# Altium PCB Napelem_inverter.PcbDoc (part 2 of 2)
Units mil, origin at the board's own origin, x right, y up, seen from the top; angles counter-clockwise.
Board outline 6000 x 4000 mil, 2 copper layers (Top Layer, Bottom Layer); 291 components, 168 nets, 931 pads, 64 vias.
Unrouted connection lines stored in the file: 608.
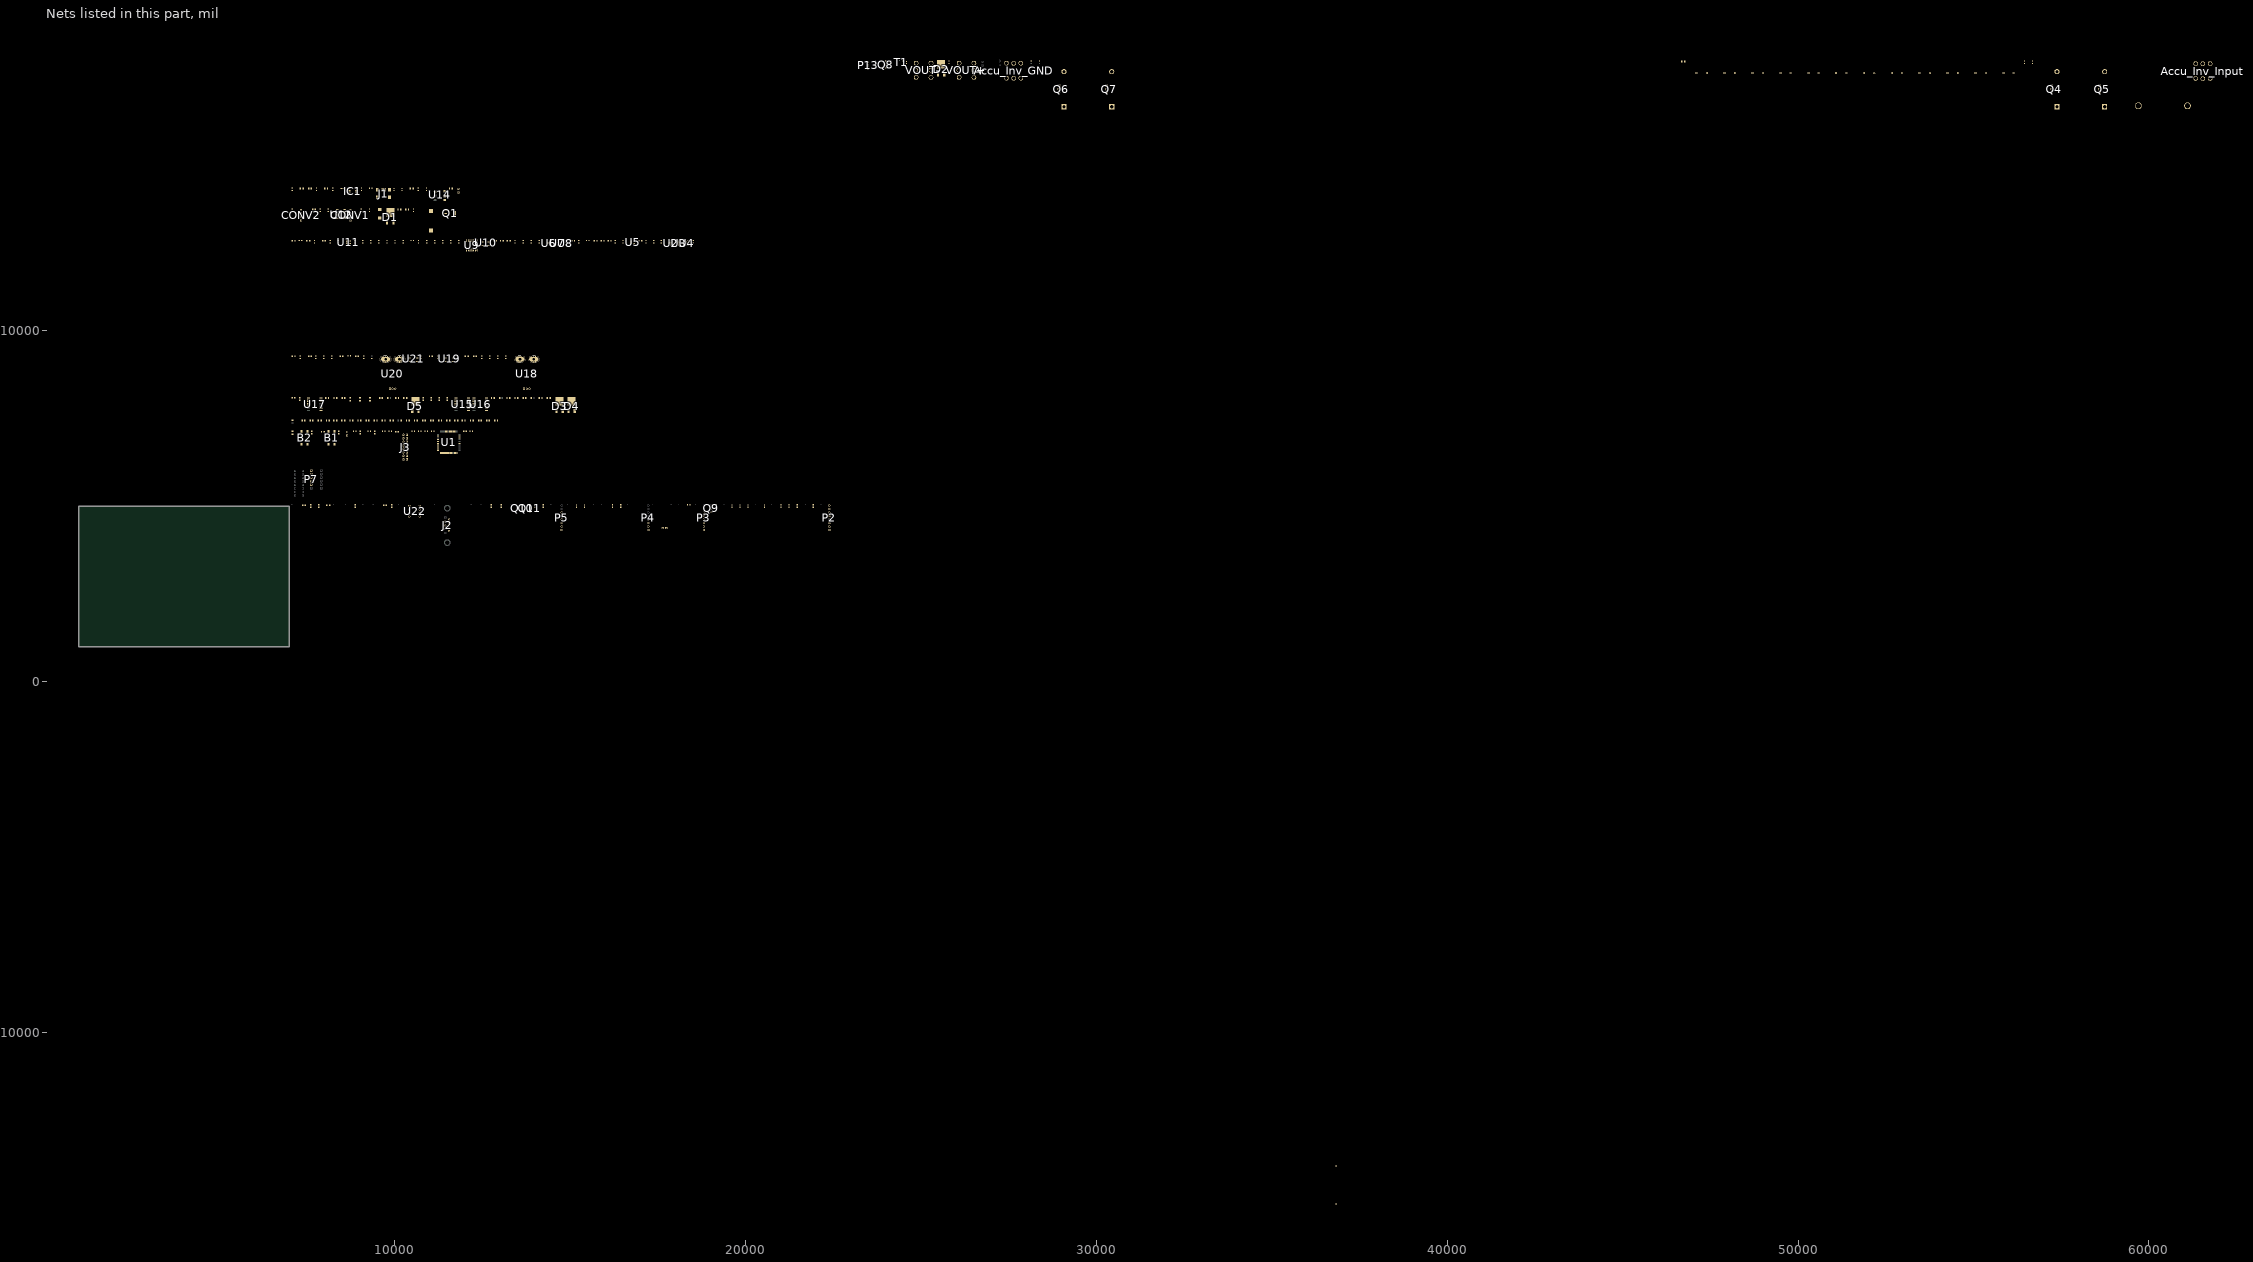
[diagram p2: the nets of this part, all layers, seen from the top]

## Part data
B1 B2: library part "Button 4P", "Push button"
C1 C2 C3 C4 C5 C6 C7 C8 C9 C10 C11 C12 C13 C15 C16 C18 C43 C45 C46 C47 C48 C49 C50 C51 C52 C53 C54 C55 C56 C57 C58 C59 C60 C61 C62 C63 C64 C65 C66 C67 C68 C69 C70 C71 C72 C73 C74 C75 C76 C77 C78 C79 C80 C81 C82 C83 C84 C85 C86 C87 C88 C89 C90 C91 C92 C93 C94 C95 C96 C97 C98 C99 C100 C101 C102 C103 C104: library part CAP, "Capacitor"
C17: library part CMP-2000-07204-1, "Tantalum Surface Mount Capacitor, 100 uF, 25 V, -55 to 125 degC, 2-Pin Molded, RoHS, Tape and Reel", Capacitance=100µF, ESR (Equivalent Series Resistance)=300mOhm, Lifetime @ Temp.=2000Hrs@85°C, Manufacturer=Kemet, Manufacturer Size Code=X, Operating Temperature=-55°C~125°C, Package / Case=2917(7343Metric), Package Description="2-Pin Molded Capacitor, Body 7.3 x 4.3 mm", Package Reference=Molded, Standard Package=1, Tolerance=±10%, Voltage - Rated=25V, Category=Capacitors, Datasheet URL=https://ciiva.com/datasheet-click-3798150?src=ciiva&sig=eb1f20b4, Datasheet Version=12/2015, EDA / CAD Models=DownloadfromAcceleratedDesigns, Family=TantalumCapacitors, Features=GeneralPurpose, Height - Seated (Max)="0.169\"(4.30mm)", Lead Spacing=-, Manufacturer URL=http://www.kemet.com/, Mounting Technology=SurfaceMount, Mounting Type=SurfaceMount, Online Catalog=T491Series, Other Names=399-8410-6, Packaging=Digi-Reel®, Product Training Modules=CapacitorBasics-TypicalUsesforCapacitors, Series=T491, Size / Dimension="0.287\"Lx0.169\"W(7.30mmx4.30mm)", Type=Molded
C31 C32 C33 C34 C35 C36 C37 C38 C39 C40 C41 C42: library part CMP-35376-000008-1, "CAP ALUM 47UF 20% 500V THRUHOLE / 500LXW47MEFR18X25"
C44: "Cap Film 68uF 100V PET 10% (31.5 X 22 X 36.5mm) Radial 27.5mm 125C Bulk", Capacitance=68uF, Case/Package=Radial, Dielectric=PET, Dielectric Material=Polyester, Manufacturer="TDK EPCOS", Manufacturer Part Number=B32524Q1686K000, Max Operating Temperature=125°C, Min Operating Temperature=-55°C, Tolerance=10%, Voltage Rating=100V, Category="Film Capacitors", ComponentLink1Description=http://www.farnell.com/datasheets/1955213.pdf?src-supplier=Farnell, ComponentLink1URL=http://www.farnell.com/datasheets/1955213.pdf?src-supplier=Farnell, ComponentLink2Description=http://components.arrow.com/part/dataview/0323_01924821?src-supplier=Arrow+Europe, ComponentLink2URL=http://components.arrow.com/part/dataview/0323_01924821?src-supplier=Arrow+Europe, ComponentLink3Description=https://www.tdk-electronics.tdk.com/inf/20/20/db/fc_2009/B32520_529.pdf?src-supplier=Digi-Key, ComponentLink3URL=https://www.tdk-electronics.tdk.com/inf/20/20/db/fc_2009/B32520_529.pdf?src-supplier=Digi-Key, ComponentLink4Description=http://www.farnell.com/datasheets/1955213.pdf?src-supplier=Element14, ComponentLink4URL=http://www.farnell.com/datasheets/1955213.pdf?src-supplier=Element14, Depth=22mm, Lead Diameter=0.8mm, Lead Pitch=27.5mm, Length=31.5mm, Packaging=Bulk, Pricing 1="1=16,57000, 10=15,74200, 50=13,25680, 100=12,42830, 500=11,01972, 1000=10,35688 (USD)", REACH SVHC="No SVHC", RoHS=Yes, RoHS Compliant=Yes, Stock 1=15, Supplier 1=Digi-Key, Voltage Rating (DC)=100V
CON1 P10: library part Connector_2pin, "2pin connector"
  CON1: Reference=100.240.80, Supplier=hestore
D1 D2 D3 D4 D5: library part CMP-1055-00192-1, "SWITCHMODE(TM) Power Rectifier, 3-Pin DPAK, Pb-Free, Tape and Reel", Manufacturer="On Semiconductor", ComponentLink1Description="Manufacturer URL", ComponentLink1URL=http://www.onsemi.com/, ComponentLink2Description=Datasheet, ComponentLink2URL=http://www.onsemi.com/pub_link/Collateral/MBRD320-D.PDF, ComponentLink3Description="Package Specification", ComponentLink3URL=http://www.onsemi.cn/pub_link/Collateral/369C.PDF, Configuration=Single, DatasheetVersion="Rev. 8", IFSM Max (A)=75, Mounting Technology="Surface Mount", PackageDescription="3-Pin Flange Mount, Body 6.54 x 6.095 mm, Pitch 2.29 mm", PackageReference=DPAK-3-369C-01, PackageVersion="Rev. E, 02/2014", Packing="Tape and Reel", PartNumber=MBRD360T4G, RoHS=TRUE
DS1: library part LED_G_CMP-1744-00002-1_1, "Chip LED, Green, 2.2 V, -40 to 85 degC, 2-Pin SMD, RoHS, Tape and Reel", Case\Package=SOIC, Clock Frequency="100 KHz", Frequency="400 KHz", Max Operating Temperature="85 degC", Max Supply Voltage="5.5 V", Min Operating Temperature="-40 degC", Min Supply Voltage="1.7 V", Nominal Supply Current="2 mA", Package Quantity=3000, Access Time="3500 ns", ComponentLink1Description="Manufacturer URL", ComponentLink1URL=http://www.avagotech.com/, ComponentLink2Description=Datasheet, ComponentLink2URL=http://docs.avagotech.com/docs/AV02-0551EN, ComponentLink3Description="Package Specification", ComponentLink3URL=http://www.fairchildsemi.com/dwg/MA/MA03D.pdf, DatasheetVersion=Mar-12, Density="32 kb", Height="1.5 mm", Interface=Serial, Length="5 mm", Max Clock Frequency="100 KHz", Mount="Surface Mount", PackageDescription="2-Pin Surface Mount Device, Body 1.6 x 0.8 mm, Height 0.9 mm", PackageReference=HSMX-C190, Packaging="Tape and Reel", Pins=8, Radiation Hardening=No, REACH SVHC="No SVHC", RoHSCompliant=true, Width="4 mm"
DS2 DS5 DS6 DS7: library part LED_G_CMP-1744-00002-1, "Chip LED, Green, 2.2 V, -40 to 85 degC, 2-Pin SMD, RoHS, Tape and Reel", Case\Package=SOIC, Clock Frequency="100 KHz", Frequency="400 KHz", Max Operating Temperature="85 degC", Max Supply Voltage="5.5 V", Min Operating Temperature="-40 degC", Min Supply Voltage="1.7 V", Nominal Supply Current="2 mA", Package Quantity=3000, Access Time="3500 ns", ComponentLink1Description="Manufacturer URL", ComponentLink1URL=http://www.avagotech.com/, ComponentLink2Description=Datasheet, ComponentLink2URL=http://docs.avagotech.com/docs/AV02-0551EN, ComponentLink3Description="Package Specification", ComponentLink3URL=http://www.fairchildsemi.com/dwg/MA/MA03D.pdf, DatasheetVersion=Mar-12, Density="32 kb", Height="1.5 mm", Interface=Serial, Length="5 mm", Max Clock Frequency="100 KHz", Mount="Surface Mount", PackageDescription="2-Pin Surface Mount Device, Body 1.6 x 0.8 mm, Height 0.9 mm", PackageReference=HSMX-C190, Packaging="Tape and Reel", Pins=8, Radiation Hardening=No, REACH SVHC="No SVHC", RoHSCompliant=true, Width="4 mm"
DS3 DS4 DS8 DS9: library part RED-CMP-2000-06427-1, "LED Uni-Color Red, 52 mW, 20 mA, -40 to 85 degC, 2-Pin SMD, RoHS, Tape and Reel", Emitting Color=Red, Forward Current=25mA, Forward Voltage=2.6V, Manufacturer=Avago, Operating Temp Range=-40Cto85C, Operating Temperature Classification=Industrial, Package Description="2-Pin Surface Mount Device, Body 1.6 x 0.8 mm, Height 0.9 mm", Package Reference=HSMX-C190, Package Type=ChipLed, Power Dissipation=52W, Reverse Voltage=5V, Test Current (It)=20mA, Chip Material=GaP, Datasheet URL=http://docs.avagotech.com/docs/AV02-0551EN, Datasheet Version=03/2012, DELETED=Compliant, Dominant Wave Length=626nm, High Brightness=No, Lens Dimensions=1x0.8x0.5mm, Lens Type=ColorlessDiffused, Lum Intensity=10mcd, Luminous Intensity=10mcd, Main Category=ChipLED, Manufacturer URL=http://www.avagotech.com/, Mounting=SurfaceMount, Mounting Technology=SurfaceMount, Number of  Elements=1, Packaging=TapeandReel, Peak Wavelength=630nm, Pin Count=2, Product Depth (mm)=0.8mm, Product Height (mm)=0.8mm, Product Length (mm)=1.6mm, Rad Hardened=No, Shape Type=Rectangular, Type=Uni-Color, Viewing Angle=170deg
FB1: library part CMP-0686-00596-3, "Chip Ferrite Bead, 0603, 220Ω @ 100MHz, 25%, 0.04Ω, 2.5A", Case Code (Imperial)=0603, Case Code (Metric)=1608, Current Rating=2.5A, DC Resistance (DCR)=40mR, Max Operating Temperature=125°C, Min Operating Temperature=-55°C, Package Quantity=1, Test Frequency=100MHz, Tolerance=25%, Case/Package=0603, Core Material=Ferrite, DC Current=2.5A, DC Resistance-Max=40mR, Depth=0.95mm, Height=0.8mm, Impedance=220R, Lead Free="Lead Free", Length=1.6mm, Material=Ferrite, Max Current Rating=2.5A, Max DC Current=2.5A, Number of Circuits=1, Number of Lines=1, Number of Pins=2, Packaging="Tape and Reel", Radiation Hardening=No, REACH SVHC="No SVHC", RoHS Compliant=Yes, Series=BLM18S, Termination=SMD/SMT, Weight=7.1E-05oz, Width=0.8mm
IC1: "Clamp Ipp Tvs Diode Surface Mount 8-SO", Package="SOIC-8 STMicroelectronics", Availability=Unavailable, MF=STMicroelectronics, MP=USB6B1, Price=None, SnapEDA_Link=https://www.snapeda.com/parts/USB6B1/STMicroelectronics/view-part/51146/?ref=snap
J1: library part USB_MIN_CMP-1698-00001-3, "Mini USB B-Type, 5-Pin SMD, RoHS, Tape and Reel / 10033526-N3212LF", Package Quantity=1, PartNumber=10033526-N3212LF, ComponentLink1Description="Manufacturer URL", ComponentLink1URL=http://portal.fciconnect.com/, ComponentLink2Description=Datasheet, ComponentLink2URL=http://portal.fciconnect.com/Comergent//fci/drawing/10033526.pdf, DatasheetVersion="Rev. N", Height="4 mm", Length="9.9 mm", Mount="Surface Mount", Mounting Technology="Surface Mount", PackageDescription="5-Pin Surface Mount Device, Body 9.2 x 7.7 mm, Pitch 0.8 mm", Packaging="Tape and Reel", Pins=5, RoHSCompliant=True
J2: library part CMP-1502-00200-1, "Female PCB Connector with Hex Screw WR-DSUB, 8.08 mm, Angled, 9 pins", Contact Resistance=30mOhm, Manufacturer="Wurth Elektronik", Operating Temperature=-40to85degC, Rated Current=3A, Working Voltage=125VAC, Datasheet URL=https://katalog.we-online.de/em/datasheet/6180xx231121.pdf, Gender=Female, Manufacturer URL=http://www.we-online.de, Mounting Technology=THT, Orientation=Angled, Package Reference=618009231121, Packaging=Tray, Part Number=618009231121, Pin Number=9, Publisher=WurthElektronik
J3: library part CMP-1502-01097-1, "THT Vertical Pin Header WR-PHD, Pitch 2.54 mm, Dual Row, 16 pins", Contact Resistance=20mOhm, Manufacturer="Wurth Elektronik", Operating Temperature=-40to105degC, Rated Current=3A, Withstanding Voltage=500VAC, Working Voltage=250VAC, Datasheet URL=https://katalog.we-online.de/em/datasheet/6130xx21121.pdf, Gender=Male, Manufacturer URL=http://www.we-online.de, Mounting Technology=THT, Orientation=Vertical, Package Reference=61301621121, Packaging=Bag, Part Number=61301621121, Pin Number=16, Pitch=2.54mm, Publisher=WurthElektronik, Row Number=Dual
JP1 JP2: "Jumper Wire"
K: "5V Trigger Relay Module For Arduino And Raspberry Pi 5V Trigger Relay Module For Arduino And Raspberry Pi", Package=None, Availability=Unavailable, MF="Songle Relay", MP=SRD-05VDC-SL-C, Price=None, SnapEDA_Link=https://www.snapeda.com/parts/SRD-05VDC-SL-C/Songle%20Relay/view-part/1029484/?ref=snap
L1: library part Inductor_B82479A1473M000, "Inductor Power Wirewound 47uH 20% 100KHz Ferrite 2.6A 87mOhm DCR Automotive T/R", Case/Package=SMD/SMT, Current Rating=2.6A, DC Resistance (DCR)=87mR, Inductance=47uH, Inductance Tolerance=20%, Inductor Type="POWER INDUCTOR", Manufacturer="TDK EPCOS", Manufacturer Part Number=B82479A1473M000, Max Operating Temperature=150°C, Min Operating Temperature=-55°C, Package Quantity=250, Saturation Current=4.5A, Self Resonant Frequency=100kHz, Category="Fixed Inductors", ComponentLink1Description=https://datasheet.ciiva.com/6692/b82479a1-6692885.pdf?src-supplier=Digi-Key, ComponentLink1URL=https://datasheet.ciiva.com/6692/b82479a1-6692885.pdf?src-supplier=Digi-Key, ComponentLink2Description=https://datasheet.ciiva.com/22683/1899175-22683671.pdf?src-supplier=Element14, ComponentLink2URL=https://datasheet.ciiva.com/22683/1899175-22683671.pdf?src-supplier=Element14, ComponentLink3Description=https://datasheet.ciiva.com/22683/1899175-22683672.pdf?src-supplier=Element14, ComponentLink3URL=https://datasheet.ciiva.com/22683/1899175-22683672.pdf?src-supplier=Element14, ComponentLink4Description=https://datasheet.ciiva.com/28652/b82479a1-28652056.pdf?src-supplier=Element14, ComponentLink4URL=https://datasheet.ciiva.com/28652/b82479a1-28652056.pdf?src-supplier=Element14, Core Material=Ferrite, DC Current=2.6A, Depth=15.24mm, Height=7.11mm, Lead Free="Lead Free", Length=18.54mm, Max DC Current=2.6A, Military Standard=Not, Mount="Surface Mount", Number of Pins=2, Packaging="Tape and Reel", REACH SVHC="No SVHC", RMS Current (Irms)=2.6A, RoHS=Yes, RoHS Compliant=Yes, Series=B82479A1, Shielding=Unshielded, Stock 1=25, Supplier 1=Farnell, Termination=SMD/SMT, Test Frequency=100kHz, Tolerance=20%, Weight=0.105822oz, Width=0.6inch
L3: library part Tekercs, "14.9 uH inductor", Category=Inductor
P2 P3 P4 P5: "Header, 8-Pin", LatestRevisionDate=17-Jul-2002, LatestRevisionNote="Re-released for DXP Platform.", Publisher="Altium Limited", Reference=100.240.95, Supplier=hestore
P6 P7: library part CMP-2000-05661-1, "Male Header, Pitch 2.54 mm, 1 x 6 Position, Height 10.03 mm, Tail Length 3.56 mm, -55 to 105 degC, Bulk", Color=White, Current, Rating="5 /  / A", Flammability Rating=UL94V-0, Manufacturer="TE Connectivity", Package Description="Male Header, Pitch 2.54 mm, 1 x 6 Position, Height 10.03 mm, Tail Length 3.56 mm", Temperature, Operating="-55to+105 /  / °C", Voltage, Rating="250 /  / V", Agency Approvals=CSA,UL, Angle=Straight, Brand/Series=MTA-100Series, Color, Housing=White, Connector Type=MTA-100, Contact Centerline Spacing="0.100 /  / in.", Contact Mating Area Plating=Tin, Contact Plating=Tin, Contact Shape=Square, Contact Termination Area Plating=Tin, Datasheet URL=https://datasheet.ciiva.com/25618/0900766b80eb7fdd-25618163.pdf, Datasheet Version="Rev. W, 05/2005", Length, Overall="0.6 /  / \"", Length, Pin="0.14 /  / \"", Length, Terminal Post="0.14 /  / in.", Manufacturer URL=http://www.te.com/, Material, Contact=CopperAlloy, Material, Housing=Polyester, Mount Angle=Vertical, Mounting Hole Size="0.04 /  / \"", Mounting Technology=ThroughHole, Mounting Type=PCMount, Number of Contacts=6, Number of Positions=6, Number of Rows=1, Package Reference=640456-6, Pin Spacing="0.1 /  / \"", Primary Type=InterconnectSystem, Size, Post="0.025 /  / in.", Special Features=Pinstrip, Standards=RoHSCompliant,ELVCompliant,UL94V-0, Termination=Solder, Type=PCBPlug
P8 P9: library part CMP-1502-01076-1, "THT Vertical Pin Header WR-PHD, Pitch 2.54 mm, Single Row, 8 pins", Contact Resistance=20mOhm, Manufacturer="Wurth Elektronik", Operating Temperature=-40to105degC, Rated Current=3A, Withstanding Voltage=500VAC, Working Voltage=250VAC, Datasheet URL=https://katalog.we-online.de/em/datasheet/6130xx11121.pdf, Gender=Male, Manufacturer URL=http://www.we-online.de, Mounting Technology=THT, Orientation=Vertical, Package Reference=61300811121, Packaging=Bag, Part Number=61300811121, Pin Number=8, Pitch=2.54mm, Publisher=WurthElektronik, Row Number=Single
P13: library part Connector_3pin, "3pin connector"
Q1: library part CMP-1099-00021-1, "P-Channel SIPMOS Small-Signal-Transistor, -60 V VDS, -2.9 A ID, -55 to 150 degC, PG-SOT223 (SC-73), Reel, Green", Manufacturer=Infineon, ComponentLink1Description="Manufacturer URL", ComponentLink1URL=http://www.infineon.com/, ComponentLink2Description=Datasheet, ComponentLink2URL=http://www.infineon.com/dgdl/BSP613P_Rev2.7.pdf?folderId=db3a304314dca38901154a72e3951a65&fileId=db3a30433b47825b013b60ac86a96dc0, ComponentLink3Description="Package Specification", ComponentLink3URL=http://www.infineon.com/dgdl/SOT223-Package_Overview.pdf?folderId=db3a30431936bc4b0119530470b03c3d&fileId=db3a30431936bc4b0119531d40b93c5c, DatasheetVersion="Rev. 2.7", Green=TRUE, Halogen-free=TRUE, ID (max)="-2.9Â A", IDpuls (max)="-11.6Â A", Mode=Enhancement, Mounting Technology="Surface Mount", PackageDescription="4-Pin Small Outline Transistor Package, 6.5 x 3.5 mm Body, 2.3 mm Pitch", PackageReference="PG-SOT223 (SC-73)", PackageVersion=Apr-08, Packing=Reel, PartNumber=BSP613P, Polarity=P, Pto t (max)="1.8Â W", QG="-22Â nC", RDS (on) (max)="130Â mOhm", Rth="100Â K/W", Technology=SIPMOS, VDS (max)="-60Â V", VGS(th) (max)="-4Â V", VGS(th) (min)="-2.1Â V"
Q4 Q5 Q6 Q7: library part NMOS-2, "N-channel 100 V 8.5 mΩ standard level MOSFET in TO220", ComponentLink1Description="Manufacturer Link", ComponentLink1URL=http://www.irf.com/, DatasheetVersion=PD-9.814, LatestRevisionDate=17-Jul-2002, LatestRevisionNote="Re-released for DXP Platform.", Note="Pin 2 is electrically connected to pin 4.", PackageDescription="TO, Thru-Hole, Vertical, Heatsink Mounted; 3 In-Line Leads; Pitch 2.54 mm", PackageReference=TO-220AB, PackageVersion=Feb-1997, Published=8-Jun-2000, Publisher="Altium Limited"
Q8: library part CMP-1048-01603-1, "Amplifier Transistor, NPN Silicon, 3-Pin TO-92, Pb-Free, Tape and Reel", Manufacturer="On Semiconductor", ComponentLink1Description="Manufacturer URL", ComponentLink1URL=http://www.onsemi.com/, ComponentLink2Description=Datasheet, ComponentLink2URL=http://www.onsemi.com/pub_link/Collateral/BC546-D.PDF, ComponentLink3Description="Package Specification", ComponentLink3URL=http://www.onsemi.com/pub_link/Collateral/MAC97-D.PDF, DatasheetVersion="Rev. 7", fT Min (MHz)=150, IC Continuous (A)=0.1, Mounting Technology="Through Hole", PackageDescription="3-Pin Transistor Outline, Body 4.825 x 3.685 mm, Pitch 1.27 mm", PackageReference=TO-92-3-29-11_AM_BL, PackageVersion="Rev. AM", Packing="Tape and Reel", PartNumber=BC548BRL1G, Polarity=NPN, RoHS=TRUE
Q9 Q10 Q11: library part CMP-1048-01603-1, "Amplifier Transistor, NPN Silicon, 3-Pin TO-92, Pb-Free, Tape and Reel", Manufacturer="On Semiconductor", PartNumber=BC548BRL1G, ComponentLink1Description="Manufacturer URL", ComponentLink1URL=http://www.onsemi.com/, ComponentLink2Description=Datasheet, ComponentLink2URL=http://www.onsemi.com/pub_link/Collateral/BC546-D.PDF, ComponentLink3Description="Package Specification", ComponentLink3URL=http://www.onsemi.com/pub_link/Collateral/MAC97-D.PDF, DatasheetVersion="Rev. 7", fT Min (MHz)=150, IC Continuous (A)=0.1, Mounting Technology="Through Hole", PackageDescription="3-Pin Transistor Outline, Body 4.825 x 3.685 mm, Pitch 1.27 mm", PackageReference=TO-92-3-29-11_AM_BL, PackageVersion="Rev. AM", Packing="Tape and Reel", Polarity=NPN, RoHS=TRUE
R1 R2 R3 R4 R5 R6 R7 R8 R9 R10 R11 R12 R13 R14 R15 R16 R17 R18 R19 R20 R21 R22 R23 R24 R25 R26 R27 R28 R29 R30 R31 R32 R33 R34 R35 R36 R37 R38 R39 R40 R41 R42 R43 R44 R45 R46 R47 R48 R49 R52 R53 R54 R55 R56 R57 R58 R59 R60 R61 R62 R63 R64 R65 R66 R67 R68 R69 R70 R71 R72 R73 R74 R75 R76 R77 R78 R79 R80 R81 R82 R83 R84 R85 R86 R87 R88 R89 R90 R91 R92 R93 R94 R95 R96 R97 R98 R99 R100 R101 R102: library part RES, "Resistor"
T1: library part CMP-2000-05771-1, "Pulse Transformer for LAN Interface, 2.5 dB, -40 to 85 degC, 6-Pin SMD, RoHS, Tape and Reel", Manufacturer=TDK, Maximum Temperature=+85°C, Minimum Temperature=-40°C, Package Description="6-Pin Surface Mount Device, Body 3.2 x 3.2 mm", Package Reference=ALT3232, Datasheet URL=https://product.tdk.com/info/en/catalog/datasheets/trans_alt_en.pdf, Datasheet Version=05/2016, Depth=2.9mm, Dimensions=3.2x3.2x2.9mm, Insertion Loss=2.5dB, Length=3.2mm, Manufacturer URL=http://www.tdk.com/, Mounting Technology=SurfaceMount, Mounting Type=SurfaceMount, Number of Output Ports=1, Width=3.2mm
TP1 TP2 TP3 TP4 TP5 TP6 TP7 TP8 TP9 TP10 TP11 TP12 TP13 TP14 TP15 TP16 TP17 TP18 TP19 TP20 TP21 TP22 TP23 TP24 TP25 TP26: "Test Point"
U1: library part DSP_100_CMP-0546-00052-3, "Piccolo Microcontroller, High-Efficiency 32-Bit CPU, 100 KB, 90 MHz, FPU, VCU, 19 Ch PWM, 54 GPIO, 3.3 V, -40 to 105 degC, 100-Pin LQFP (PZ), Green (RoHS & no Sb/Br)", Frequency (MHz)=90, Manufacturer="Texas Instruments", Operating Temperature Range (degC)="-40 to 105", 12-bit A/D (#Channels)=16, CAP/QEP=7/2, CLA=1, ComponentLink1Description="Manufacturer URL", ComponentLink1URL=http://www.ti.com/, ComponentLink2Description=Datasheet, ComponentLink2URL=http://www.ti.com/lit/ds/symlink/tms320f28069.pdf, ComponentLink3Description="Package Specification", ComponentLink3URL=http://www.ti.com/lit/ds/symlink/tms320f28066.pdf, CPU=C28x, DatasheetVersion=SPRS698D, Eco Plan="Green (RoHS & no Sb/Br)", FPU=Yes, GPIO=54, IO Supply (V)=3.3, Mounting Technology="Surface Mount", PackageDescription="100-Pin Plastic Quad Flat Package, Body 14 x 14 mm, Pitch 0.5 mm", PackageReference=PZ0100A, PackageVersion=4040149/B, PartNumber=TMS320F28069PZT, Peak MMACS=90, PWM (Ch)=19, RAM (KB)=100, Timers="3 32-Bit GP 1 WD", USB=0, VCU=Yes
U2 U3 U4 U6 U7 U8: library part CMP-0192-00001-2, "SENSOR ANALOG -40C-125C TO92-3", Ambient Temperature Range High=+125°C, Ambient Temperature Range Low=-40°C, Manufacturer=Microchip, Max Junction Temp=+150°C, Max Supply Voltage=5.5V, Min Supply Voltage=2.3V, Operating Supply Current=6uA, Output Current=100uA, Output Voltage=500mV, Package=C04-101, Temperature="-40°C to +125°C", Automotive=No, Category=IC, ComponentLink2Description=Datasheet, ComponentLink2URL=http://ww1.microchip.com/downloads/en/DeviceDoc/20001942G.pdf, Device Class L1=Sensors, Device Class L2="Temperature and Humidity Sensors", Device Class L3=unset, Digikey Description="SENSOR ANALOG -40C-125C TO92-3", Footprint Url=http://ww1.microchip.com/downloads/en/DeviceDoc/3L_TO-92%20Plastic%20Transistor%20Outline_TO_C04-00101c.pdf, Height=5.334mm, Import Ts=1521170835, Ipc Land Pattern Name=TO-92, Lead Free=Yes, Manufacturer Part Number=MCP9700-E/TO, Mouser Description="Board Mount Temperature Sensors Lin Active Therm", Octopart=https://octopart.com/mcp9700-e%2Fto-microchip-668812, RoHS=TRUE, Sensor Output="Analog Voltage", Temperature Range High=+125°C, Temperature Range Low=-40°C
U5 U11: library part CMP-0187-00469-2, "1 MHz, Low-Power Operational Amplifier, 5-Pin SOT-23, Industrial Temperature, Tape and Reel", Code_IPC=SOT23-5, ComponentLink1Description="Manufacturer URL", ComponentLink1URL=http://www.microchip.com/, ComponentLink2Description=Datasheet, ComponentLink2URL=http://ww1.microchip.com/downloads/en/DeviceDoc/21733j.pdf, ComponentLink3Description="Package Specification", ComponentLink3URL=http://www.microchip.com/stellent/groups/techpub_sg/documents/packagingspec/en012702.pdf, DatasheetVersion="revJ, Nov-2009", PackageDescription="5-Lead Plastic Small Outline Transistor (OT) [SOT-23]", PackageReference=SOT-23-OT5, PackageVersion="revBB, Aug-2009", RevisionNote="URLs added."
U9: "Low Power Quad Operational Amplifier, 14-pin Narrow SOIC", Code_IPC=SOIC127P600-14, Code_JEDEC=MS-012AB, ComponentLink1Description="LM324 Datasheet", ComponentLink1URL=http://www.national.com/ds/LM/LM324.pdf, ComponentLink2Description="LM324 Web Page", ComponentLink2URL=http://www.national.com/pf/LM/LM324.html, ComponentLink3Description="M14A Package Page", ComponentLink3URL=http://www.national.com/packaging/folders/m14a.html
U10: library part CMP-1310-00291-2, "IC OPAMP GP 2 CIRCUIT 8SOIC", Case/Package=SOIC, Dual Supply Voltage=9V, Input Bias Current=250nA, Input Offset Voltage (Vos)=7mV, Max Dual Supply Voltage=16V, Max Operating Temperature=70°C, Max Supply Voltage=32V, Min Dual Supply Voltage=1.5V, Min Operating Temperature=0°C, Min Supply Voltage=3V, Nominal Supply Current=1.2mA, Operating Supply Current=1.5mA, Output Current=40mA, Package Quantity=2500, Power Supply Rejection Ratio (PSRR)=65dB, Voltage Gain=100dB, Bandwidth=1MHz, Common Mode Rejection Ratio=65dB, Contact Plating=Tin, Gain Bandwidth Product=1MHz, Halogen Free="Halogen Free", Height=1.5mm, Lead Free="Lead Free", Length=5mm, Number of Amplifiers=2, Number of Channels=2, Number of Circuits=2, Number of Elements=2, Number of Pins=8, Operating Supply Voltage=16V, Output Current per Channel=40mA, Packaging="Tape and Reel", Radiation Hardening=No, REACH SVHC="No SVHC", Slew Rate=0.6V/µs, Width=4mm
U12: library part CMP-1093-00004-1, "Step-Down DC/DC Controller, -40 to 150 degC, PG-DSO-14-1, Reel, Green", Manufacturer=Infineon, Tolerance=3%, ComponentLink1Description="Manufacturer URL", ComponentLink1URL=http://www.infineon.com/, ComponentLink2Description=Datasheet, ComponentLink2URL=http://www.infineon.com/dgdl/TLE6389-2-3_DS_21.pdf?folderId=db3a304412b407950112b408e8c90004&fileId=db3a304412b407950112b43641bf65a6&location=en.Products.Power_Management_ICs.DC_DC.DC_DC-Converter__Automotive_.DATASHEET.TLE6389-2-3_DS_21.pdf, ComponentLink3Description="Package Specification", ComponentLink3URL=http://www.infineon.com/dgdl/DCDC-Controller-IFX80471-Data-Sheet-V10-Infineon.pdf?folderId=db3a304314dca3890115039cf70d0bf0&fileId=db3a30432e398416012e487ec6e42599, DatasheetVersion="Rev. 2.1", Green=TRUE, Halogen-free=TRUE, IQ (max)="2,300 mA", Iq (typ)="130 uA", Mounting Technology="Surface Mount", Output="Buck Converter", PackageDescription="14-Pin Plastic (Green) Dual Small Outline Package, 8.65 x 3.9 mm Body, 1.27 mm Pitch", PackageReference=PG-DSO-14-1, PackageVersion=Apr-11, Packing=Reel, PartNumber="TLE6389-2G V50", VQ (max)=5V
U14: library part FTDI-CMP28-0078-00029-3, "USB UART Asynchronous Serial Data Transfer Chip, 28-pin SSOP, Tape and Reel", PartNumber=FT232RL-Reel, ComponentLink1Description="Manufacturer URL", ComponentLink1URL=http://www.ftdichip.com/, ComponentLink2Description=Datasheet, ComponentLink2URL=http://www.ftdichip.com/Support/Documents/DataSheets/ICs/DS_FT232R.pdf, DatasheetVersion="ver 2.10, Mar-2012", Manufacturer=FTDI, PackageDescription="28-Pin Small Outline Package 0.65 mm Pitch", PackageReference=SSOP-28, PackageVersion=Mar-12, RevisionNote="DatasheetVersion updated to 2.10 Mar-2012"
U15 U16 U17: library part GATE_DRIVER_2EDS8265HXUMA2, "2EDS8265HXUMA2 / Gate-Driver 8A", Case/Package="SOIC W", Manufacturer=Exar, Max Operating Temperature=70°C, Max Power Dissipation=1.26W, Max Supply Voltage=5.5V, Min Operating Temperature=0°C, Min Supply Voltage=3V, Nominal Supply Current=1mA, Package Quantity=41, Category="RS-232 / RS-422 / RS-485 Interface ICs", ComponentLink1Description=https://datasheet.ciiva.com/22828/0900766b81141d49-22828237.pdf?src-supplier=RSComponents, ComponentLink1URL=https://datasheet.ciiva.com/22828/0900766b81141d49-22828237.pdf?src-supplier=RSComponents, ComponentLink2Description=https://datasheet.ciiva.com/1715/sp3222eb-sp3232eb-103-081414-1715199.pdf?src-supplier=Digi-Key, ComponentLink2URL=https://datasheet.ciiva.com/1715/sp3222eb-sp3232eb-103-081414-1715199.pdf?src-supplier=Digi-Key, ComponentLink3Description=https://datasheet.ciiva.com/16380/sp3232ebca-l-16380121.pdf?src-supplier=Future+Electronics, ComponentLink3URL=https://datasheet.ciiva.com/16380/sp3232ebca-l-16380121.pdf?src-supplier=Future+Electronics, ComponentLink4Description=https://datasheet.ciiva.com/15208/getdatasheetpartid-558353-15208838.pdf?src-supplier=Verical, ComponentLink4URL=https://datasheet.ciiva.com/15208/getdatasheetpartid-558353-15208838.pdf?src-supplier=Verical, Height=2.55mm, Lead Free="Lead Free", Length=10.3mm, Logic Function=Transceiver, Manufacturer Part Number=2EDS8265HXUMA2, Number of Drivers=2, Number of I/Os=4, Number of Pins=16, Number of Receivers=2, Number of Transceivers=1, Number of Transmitters=2, Packaging=Rail/Tube, Propagation Delay=0.15us, Radiation Hardening=No, RoHS=Yes, Series=-, Supplier 1="Allied Electronics", Supply Current=1mA, Width=7.5mm
U18 U20: library part CMP-82923-000204-2, "SENSOR CURRENT HALL 100A AC/DC", Current Sensing=100A, Frequency=120kHz, Max Operating Temperature=150°C, Max Supply Current=13.5mA, Max Supply Voltage=5.5V, Min Operating Temperature=-40°C, Min Supply Voltage=3V, Operating Supply Voltage=5V, Output Current=1mA, Package Quantity=34, Quiescent Current=10mA, Accuracy=2.4%, Bandwidth=120kHz, Height=7mm, Length=10mm, Linearity=1.25%, Mount="Through Hole", Number of Channels=1, Number of Pins=5, Packaging=Rail/Tube, Polarity=Bidirectional, Radiation Hardening=No, REACH SVHC="No SVHC", Response Time=4us, RoHS Compliant=Yes, Sensitivity=20mV/A, Series=-, Width=13mm
U19 U21: library part CMP-1305-00048-1, "Low Offset Voltage Dual Comparators, 2 to 36 V, 0 to 70 degC, 8-Pin SOIC, Pb-Free, Tape and Reel", Manufacturer="On Semiconductor", ComponentLink1Description="Manufacturer URL", ComponentLink1URL=http://www.onsemi.com/, ComponentLink2Description=Datasheet, ComponentLink2URL=http://www.onsemi.com/pub_link/Collateral/LM393-D.PDF, ComponentLink3Description="Package Specification", ComponentLink3URL=http://www.onsemi.com/pub_link/Collateral/751-07.PDF, DatasheetVersion="Rev. 25", ICC Typ (mA)=0.4, IO Typ (mA)=16, Mounting Technology="Surface Mount", PackageDescription="8-Pin Small Outline Integrated Circuit, Body 4.9 x 3.9 mm, Pitch 1.27 mm", PackageReference=SOIC-8-751-07, PackageVersion="Rev. AK, 02/2011", Packing="Tape and Reel", PartNumber=LM393DR2G, RoHS=TRUE, VCC Max (V)=36, VCC Min (V)=2
U22: library part CMP-0186-00101-2, "High-Speed CAN Transceiver, 8-Pin PDIP, Industrial Temperature", Code_JEDEC=MS-001, ComponentLink1Description="Manufacturer URL", ComponentLink1URL=http://www.microchip.com/, ComponentLink2Description=Datasheet, ComponentLink2URL=http://ww1.microchip.com/downloads/en/DeviceDoc/21667F.pdf, ComponentLink3Description="Package Specification", ComponentLink3URL=http://www.microchip.com/stellent/groups/techpub_sg/documents/packagingspec/en012702.pdf, DatasheetVersion="revF, Jul-2010", PackageDescription="8-Lead Plastic Dual In-Line (P) - 300 mil Body [PDIP]", PackageReference=PDIP300-P8, PackageVersion="revBB, Aug-2009", RevisionNote="URLs added. DatasheetVersion updated."
CONV1 CONV2: Name=STDN-3A24-ADJ, Reference=100.387.25, Supplier=hestore

## Via types
v1: diameter 31.5, hole 19.68, Top Layer to Bottom Layer, 64 vias

## Nets (pads, with @x,y where several pads share a name; then routed paths per layer and width w, separated by ;. In a path a pad name is that pad's centre, name@x,y a point inside that pad or via, vN(x,y) a via of type N, cw(c..) or ccw(c..) an arc to the next point about the centre after c; other vN are vias at no path point)
0.19V: C67.1 R76.2 R77.1 U19.2
1.5625V: C71.1 R83.2 R85.1 U21.6
1V8: C88.2 C89.2 C90.2 C91.2 C92.2 C93.2 C94.2 C95.2 C96.2 C97.2 C98.2 C99.2 U1.3 U1.14 U1.37 U1.63 U1.81 U1.91
3.3V: C70.1 R82.2 R84.1 U19.5 U21.3
3V3: C62.2 C63.2 C64.2 C75.2 C76.2 C77.2 C78.2 C79.2 C80.2 C81.2 C82.2 C83.2 C84.2 C85.2 C86.2 C87.2 C100.2 CONV1.4 CONV2.1 CONV2.4 J3.9 P2.6 P7.5 R7.2 R8.2 R10.2 R11.2 R12.2 R72.2 R78.2 R86.2 R87.2 R96.2 R97.2 R102.2 U1.5 U1.13 U1.25 U1.38 U1.46 U1.61 U1.79 U1.93 U12.1 U12.14 U15.3 U16.3
5V: C66.1 C68.1 CONV1.1 D2.4 J2.9 P2.5 P7.4 P13.1 R40.2 R47.2 R48.2 R56.2 R76.1 R82.1 R83.1 R88.2 R93.2 U2.1 U3.1 U4.1 U6.1 U7.1 U8.1 U9.11 U10.8 U11.5 U18.1 U19.8 U20.1 U21.8
10V: C17.1 C50.2 C54.2 CON1.1 CONV1.3 CONV2.3 D3.1 D3.3 D4.1 D4.3 J3.13 L1.2 P2.4 R89.2 U12.3 U15.11 U16.11
/XRS: B1.3 B1.4 C2.2 R8.1 U1.11
Accumulator_GND: Accu_Inv_GND.1 B1.1 B1.2 B2.1 B2.2 C1.1 C2.1 C3.2 C4.1 C5.1 C6.1 C7.1 C8.1 C9.1 C10.1 C11.1 C12.1 C13.1 C15.1 C17.2 C31.1 C32.1 C33.1 C34.1 C35.1 C36.1 C37.1 C38.1 C39.1 C40.1 C41.1 C42.1 C43.1 C45.1 C46.1 C47.1 C48.1 C49.1 C62.1 C63.1 C64.1 C65.2 C66.2 C67.2 C68.2 C69.2 C70.2 C71.2 C73.1 C74.1 C75.1 C76.1 C77.1 C78.1 C79.1 C80.1 C81.1 C82.1 C83.1 C84.1 C85.1 C86.1 C88.1 C89.1 C90.1 C91.1 C92.1 C93.1 C94.1 C95.1 C96.1 C97.1 C98.1 C99.1 C101.1 C102.1 C103.1 C104.1 CON1.2 CONV1.2 CONV2.2 D1.1 D1.3 DS5.2 DS6.2 DS7.2 IC1.4 IC1.5 J1.5 J2.3 J2.6 J3.11 J3.12 J3.15 JP1.2 P13.2 Q6.3 Q7.3 Q8.3 Q9.3 Q10.3 Q11.3 R1.2 R2.1 R3.1 R4.1 R5.1 R6.1 R9.1 R32.1 R33.1 R34.1 R35.1 R36.1 R37.1 R41.1 R42.1 R43.1 R49.1 R58.1 R63.1 R64.1 R75.1 R77.2 R81.2 R84.2 R85.2 R91.1 R94.1 R95.1 R100.1 R101.1 U1.4 U1.15 U1.26 U1.27 U1.36 U1.47 U1.60 U1.62 U1.80 U1.90 U1.92 U2.3 U3.3 U4.3 U5.2 U6.3 U7.3 U8.3 U9.4 U10.4 U11.2 U12.4 U14.7 U14.18 U14.21 U14.25 U14.26 U15.4 U15.5 U16.4 U16.5 U17.4 U17.5 U18.2 U19.4 U20.2 U21.4 U22.2
ADC_ACCU_DSP: J3.8 U1.22
ADC_CURR_BOOST: J3.2 U1.20
ADC_SOLAR_DSP: J3.10 U1.23
ADC_TEMP_B1: J3.4 U1.32
ADC_TEMP_B2: J3.6 U1.33
BDS: C16.1 U12.11
COMP: C18.2 U12.8
D+: IC1.7 J1.3
D-: IC1.6 J1.2
Fuse_Input: P2.1 R38.2
Fuse_Output: 
GDRV: Q1.1 U12.12
NetAccu_Inv_Input_1: Accu_Inv_Input.1 C31.2 C32.2 C33.2 C34.2 C35.2 C36.2 C37.2 C38.2 C39.2 C40.2 C41.2 C42.2 C43.2 P2.2 Q4.2 Q5.2 R39.2
NetAccumulator_Voltage_1: 
NetB2_3: B2.3 B2.4 C101.2 P7.6 R102.1 U1.65
NetC1_2: C1.2 U1.24
NetC3_1: C3.1 R18.2 R19.1
NetC4_2: C4.2 R15.2 U9.3 U9.12 U10.3
NetC5_2: C5.2 R16.2 U9.5 U10.5
NetC6_2: C6.2 R17.2 U9.10
NetC7_2: C7.2 R20.2 R21.1
NetC8_2: C8.2 R22.2
NetC9_2: C9.2 R23.2
NetC10_2: C10.2 R24.2
NetC11_2: C11.2 P2.7 R38.1 R41.2
NetC12_2: C12.2 P2.8 R39.1 R42.2
NetC13_2: C13.2 R40.1 R43.2 U11.3
NetC14_P: C15.2 C16.2 J3.14 J3.16 R44.2 R45.2 U12.13
NetC18_1: C18.1 R49.2
NetC44_1: C44.1 R20.1 T1.2 U18.5 VOUT-.1
  other v1: 13494.41,9116.2 13546.9,9116.2 13599.39,9116.2 13651.89,9116.2 13448.11,9131.24 13698.19,9131.24 13419.53,9170.61 13726.77,9170.61 13419.53,9219.27 13726.77,9219.27 13448.11,9258.64 13698.19,9258.64 13494.41,9273.68 13546.9,9273.68 13599.39,9273.68 13651.89,9273.68
NetC44_2: C44.2 L3.2 R18.1 T1.1 VOUT+.1
NetC46_2: C46.2 JP2.1 U14.17
NetC50_1: C50.1 C51.1 U15.9
NetC52_1: C52.1 C53.1 Q4.3 Q6.2 R52.1 U15.14 U18.4
  other v1: 13888.11,9116.2 13940.6,9116.2 13993.09,9116.2 14045.59,9116.2 13841.81,9131.24 14091.89,9131.24 13813.23,9170.61 14120.47,9170.61 13813.23,9219.27 14120.47,9219.27 13841.81,9258.64 14091.89,9258.64 13888.11,9273.68 13940.6,9273.68 13993.09,9273.68 14045.59,9273.68
NetC52_2: C52.2 C53.2 D3.4 U15.16
NetC54_1: C54.1 C55.1 U16.9
NetC56_1: C56.1 C57.1 L3.1 Q5.3 Q7.2 R53.1 U16.14
NetC56_2: C56.2 C57.2 D4.4 U16.16
NetC58_1: C58.1 C59.1 U17.9
NetC58_2: C58.2 D5.1 D5.3 U17.11
NetC60_1: C60.1 C61.1 U17.14 U20.5
  other v1: 9669.41,9116.2 9721.9,9116.2 9774.39,9116.2 9826.89,9116.2 9623.11,9131.24 9873.19,9131.24 9594.53,9170.61 9901.77,9170.61 9594.53,9219.27 9901.77,9219.27 9623.11,9258.64 9873.19,9258.64 9669.41,9273.68 9721.9,9273.68 9774.39,9273.68 9826.89,9273.68
NetC60_2: C60.2 C61.2 D5.4 U17.16
NetC65_1: C65.1 R74.2 R75.2 U1.21 U19.3 U19.6
NetC69_1: C69.1 R80.2 R81.1 U21.2 U21.5
NetC72_1: C72.1 J2.2 R92.1 U22.6
NetC72_2: C72.2 J2.7 R92.2 U22.7
NetC73_2: C73.2 U1.41 U22.4
NetC74_2: C74.2 U22.3
NetC102_2: C102.2 C103.2 C104.2 U17.3
NetD1_4: D1.4 L1.1 Q1.2 Q1.4
NetDS1_1: DS1.1 R56.1
NetDS2_1: DS2.1 R59.1
NetDS2_2: DS2.2 U14.23
NetDS3_1: DS3.1 R60.1
NetDS3_2: DS3.2 U14.22
NetDS4_1: DS4.1 R86.1
NetDS4_2: DS4.2 Q9.1
NetDS5_1: DS5.1 R87.1
NetDS6_1: DS6.1 R88.1
NetDS7_1: DS7.1 R89.1
NetDS8_1: DS8.1 R96.1
NetDS8_2: DS8.2 Q10.1
NetDS9_1: DS9.1 R97.1
NetDS9_2: DS9.2 Q11.1
NetFB1_1: FB1.1 IC1.8
NetIC1_2: IC1.2 R62.2
NetIC1_3: IC1.3 R65.2
NetJ4_1: R78.1 U21.1 U21.7
NetJ4_3: U17.1
NetJ4_4: P3.1 R30.1 U10.1
NetJ4_5: U17.2
NetJ4_6: P3.2 R31.1 U10.7
NetJP1_1: JP1.1 R7.1 R13.2
NetK_COM: T1.5
NetL2_2: U20.4
  other v1: 10063.11,9116.2 10115.6,9116.2 10168.09,9116.2 10220.59,9116.2 10016.81,9131.24 10266.89,9131.24 9988.23,9170.61 10295.47,9170.61 9988.23,9219.27 10295.47,9219.27 10016.81,9258.64 10266.89,9258.64 10063.11,9273.68 10115.6,9273.68 10168.09,9273.68 10220.59,9273.68
NetP2_3: P2.3 R25.2 U1.19
NetP3_3: P3.3 R26.1 U1.28 U9.1
NetP3_4: P3.4 R27.1 U1.29 U9.7
NetP3_5: P3.5 R28.1 U1.30 U9.8
NetP3_6: P3.6 R29.1 U1.31 U9.14
NetP4_1: P4.1 R62.1 U14.15
NetP4_2: P4.2 R65.1 U14.16
NetP4_3: P4.3 U1.50 U14.1
NetP4_4: P4.4 U1.43 U14.5
NetP5_1: P5.1 P7.2 P7.3
NetP5_2: P5.2 U1.18
NetP5_3: P5.3 U1.17
NetP5_4: P5.4 U1.34
NetP5_5: P5.5 U1.16
NetP5_6: P5.6 U1.35
NetQ1_3: Q1.3 R44.1
NetQ2_1: R70.2
NetQ3_1: R71.2
NetQ4_1: Q4.1 R52.2 R66.2
NetQ5_1: Q5.1 R53.2 R67.2
NetQ6_1: Q6.1 R54.2 R68.2
NetQ7_1: Q7.1 R55.2 R69.2
NetQ8_2: Q8.2 R57.2 R58.2
NetQ9_2: Q9.2 R90.2 R91.2
NetQ10_2: Q10.2 R98.2 R100.2
NetQ11_2: Q11.2 R99.2 R101.2
NetR3_2: R3.2 U1.84 U15.1
NetR4_2: R4.2 U1.9 U16.1
NetR5_2: R5.2 U1.10 U16.2
NetR6_2: R6.2 U1.83 U15.2
NetR9_2: R9.2 U1.12
NetR10_1: R10.1 U1.68
NetR11_1: R11.1 U1.71
NetR12_1: R12.1 U1.72
NetR13_1: R13.1 U1.70
NetR14_1: R14.1 R19.2 U5.3
NetR14_2: R14.2 U11.1 U11.4
NetR15_1: R15.1 U2.2
NetR16_1: R16.1 U3.2
NetR17_1: R17.1 U4.2
NetR21_2: R21.2 R25.1 U5.4
NetR22_1: R22.1 U6.2
NetR23_1: R23.1 U7.2
NetR24_1: R24.1 U8.2
NetR26_2: R26.2 R32.2 U9.2
NetR27_2: R27.2 R33.2 U9.6
NetR28_2: R28.2 R34.2 U9.9
NetR29_2: R29.2 R35.2 U9.13
NetR30_2: R30.2 R36.2 U10.2
NetR31_2: R31.2 R37.2 U10.6
NetR47_1: R47.1 U12.9
NetR48_1: R48.1 U12.10
NetR57_1: R57.1 U1.66
NetR66_1: R66.1 U15.15
NetR67_1: R67.1 U16.15
NetR68_1: R68.1 U15.10
NetR69_1: R69.1 U16.10
NetR70_1: R70.1 U17.15
NetR71_1: R71.1 U17.10
NetR72_1: R72.1 U1.42 U19.1 U19.7
NetR73_1: R73.1 U18.3
NetR73_2: R73.2 R74.1
NetR79_1: R79.1 R80.1
NetR90_1: R90.1 U1.69
NetR93_1: R93.1 R94.2 U22.5
NetR95_2: R95.2 U22.8
NetR98_1: R98.1 U1.85
NetR99_1: R99.1 U1.75
NetT1_4: T1.4
NetTP17_1: 
NetTP18_1: 
NetTP21_1: U20.3
NetU1_40: U1.40 U22.1
PWM_BOOST_H: J3.3 R2.2 U1.87
PWM_BOOST_L: J3.5 R1.1 U1.86
Relay: D2.1 D2.3 DS1.2 P13.3 Q8.1
RESET_USB: C48.2 R61.1 R64.2 U14.19
SHIELD: C47.2 J1.6 J1.7 J1.8 J1.9 R63.2
SI: R45.1 R46.2 U12.7
SI_GND: R46.1 U12.6
TZ2: J3.1 U1.48
USB_5V: C45.2 IC1.1 R61.2 U14.20
USB_5V_IN: C49.2 FB1.2 J1.1
VCCIO: JP2.2 R59.2 R60.2 U14.4
pads on no net: C51.2 C55.2 C59.2 C87.1 C100.1 J1.4 J1.MH1 J1.MH2 J2.1 J2.4 J2.5 J2.8 J2.M1 J2.M2 J3.7 K.1 K.2 K.3 P3.7 P3.8 P4.5 P4.6 P4.7 P4.8 P5.7 P5.8 P6.1 P6.2 P6.3 P6.4 P6.5 P6.6 P7.1 P8.1 P8.2 P8.3 P8.4 P8.5 P8.6 P8.7 P8.8 P9.1 P9.2 P9.3 P9.4 P9.5 P9.6 P9.7 P9.8 P10.1 P10.2 R54.1 R55.1 R79.2 T1.3 T1.6 TP1.7 TP2.7 TP3.7 TP4.7 TP5.7 TP6.7 TP7.7 TP8.7 TP9.7 TP10.7 TP11.7 TP12.7 TP13.7 TP14.7 TP15.7 TP16.7 TP17.7 TP18.7 TP19.7 TP20.7 TP21.7 TP22.7 TP23.7 TP24.7 TP25.7 TP26.7 U1.1 U1.2 U1.6 U1.7 U1.8 U1.39 U1.44 U1.45 U1.49 U1.51 U1.52 U1.53 U1.54 U1.55 U1.56 U1.57 U1.58 U1.59 U1.64 U1.67 U1.73 U1.74 U1.76 U1.77 U1.78 U1.82 U1.88 U1.89 U1.94 U1.95 U1.96 U1.97 U1.98 U1.99 U1.100 U5.1 U5.5 U12.2 U12.5 U14.2 U14.3 U14.6 U14.8 U14.9 U14.10 U14.11 U14.12 U14.13 U14.14 U14.24 U14.27 U14.28 U15.6 U15.7 U15.8 U15.12 U15.13 U16.6 U16.7 U16.8 U16.12 U16.13 U17.6 U17.7 U17.8 U17.12 U17.13

## Text inside footprints (layer, text, board x,y; h text height)
J2: Top Overlay "9" at 11578.82,4219.84 h40 r90; Top 3D Body "PCB Edge" at 11928.03,4322.2 h40 r90
J3: Top Overlay "16" at 10269.57,7108.11 h40 r90; Top Overlay "15" at 10375.87,7108.11 h40 r90; Top Overlay "1" at 10375.87,6256.14 h40 r90; Top Overlay "2" at 10269.57,6244.33 h40 r90
P8: Top Overlay "8" at 7323.07,5995.04 h40 r90; Top Overlay "1" at 7323.07,5305.28 h40 r90
P9: Top Overlay "8" at 7098.07,5995.04 h40 r90; Top Overlay "1" at 7098.07,5305.28 h40 r90
Q4: Top Layer "Q" at 57548.51,17236.92 h98.44; Top Layer "3" at 57611.94,17236.92 h98.44; Top Layer "P" at 57548.51,17135.43 h98.44; Top Layer "S" at 57599.26,17135.43 h98.44; Top Layer "M" at 57650,17135.43 h98.44; Top Layer "N" at 57726.12,17135.43 h98.44; Top Layer "8" at 57789.55,17135.43 h98.44; Top Layer "R" at 57833.95,17135.43 h98.44; Top Layer "5" at 57891.03,17135.43 h98.44; Top Layer "-" at 57935.43,17135.43 h98.44; Top Layer "1" at 57967.15,17135.43 h98.44; Top Layer "0" at 58011.55,17135.43 h98.44; Top Layer "0" at 58055.95,17135.43 h98.44; Top Layer "P" at 58100.35,17135.43 h98.44; Top Layer "S" at 58151.09,17135.43 h98.44
Q5: Top Layer "Q" at 58908.51,17236.92 h98.44; Top Layer "3" at 58971.94,17236.92 h98.44; Top Layer "P" at 58908.51,17135.43 h98.44; Top Layer "S" at 58959.26,17135.43 h98.44; Top Layer "M" at 59010,17135.43 h98.44; Top Layer "N" at 59086.12,17135.43 h98.44; Top Layer "8" at 59149.55,17135.43 h98.44; Top Layer "R" at 59193.95,17135.43 h98.44; Top Layer "5" at 59251.03,17135.43 h98.44; Top Layer "-" at 59295.43,17135.43 h98.44; Top Layer "1" at 59327.15,17135.43 h98.44; Top Layer "0" at 59371.55,17135.43 h98.44; Top Layer "0" at 59415.95,17135.43 h98.44; Top Layer "P" at 59460.35,17135.43 h98.44; Top Layer "S" at 59511.09,17135.43 h98.44
Q6: Top Layer "Q" at 29248.51,17236.92 h98.44; Top Layer "3" at 29311.94,17236.92 h98.44; Top Layer "P" at 29248.51,17135.43 h98.44; Top Layer "S" at 29299.26,17135.43 h98.44; Top Layer "M" at 29350,17135.43 h98.44; Top Layer "N" at 29426.12,17135.43 h98.44; Top Layer "8" at 29489.55,17135.43 h98.44; Top Layer "R" at 29533.95,17135.43 h98.44; Top Layer "5" at 29591.03,17135.43 h98.44; Top Layer "-" at 29635.43,17135.43 h98.44; Top Layer "1" at 29667.15,17135.43 h98.44; Top Layer "0" at 29711.55,17135.43 h98.44; Top Layer "0" at 29755.95,17135.43 h98.44; Top Layer "P" at 29800.35,17135.43 h98.44; Top Layer "S" at 29851.09,17135.43 h98.44
Q7: Top Layer "Q" at 30608.51,17236.92 h98.44; Top Layer "3" at 30671.94,17236.92 h98.44; Top Layer "P" at 30608.51,17135.43 h98.44; Top Layer "S" at 30659.26,17135.43 h98.44; Top Layer "M" at 30710,17135.43 h98.44; Top Layer "N" at 30786.12,17135.43 h98.44; Top Layer "8" at 30849.55,17135.43 h98.44; Top Layer "R" at 30893.95,17135.43 h98.44; Top Layer "5" at 30951.03,17135.43 h98.44; Top Layer "-" at 30995.43,17135.43 h98.44; Top Layer "1" at 31027.15,17135.43 h98.44; Top Layer "0" at 31071.55,17135.43 h98.44; Top Layer "0" at 31115.95,17135.43 h98.44; Top Layer "P" at 31160.35,17135.43 h98.44; Top Layer "S" at 31211.09,17135.43 h98.44